# Altium PCB mantarray_beta2_sensor_arrayed.PcbDoc (part 3 of 4) (continued)
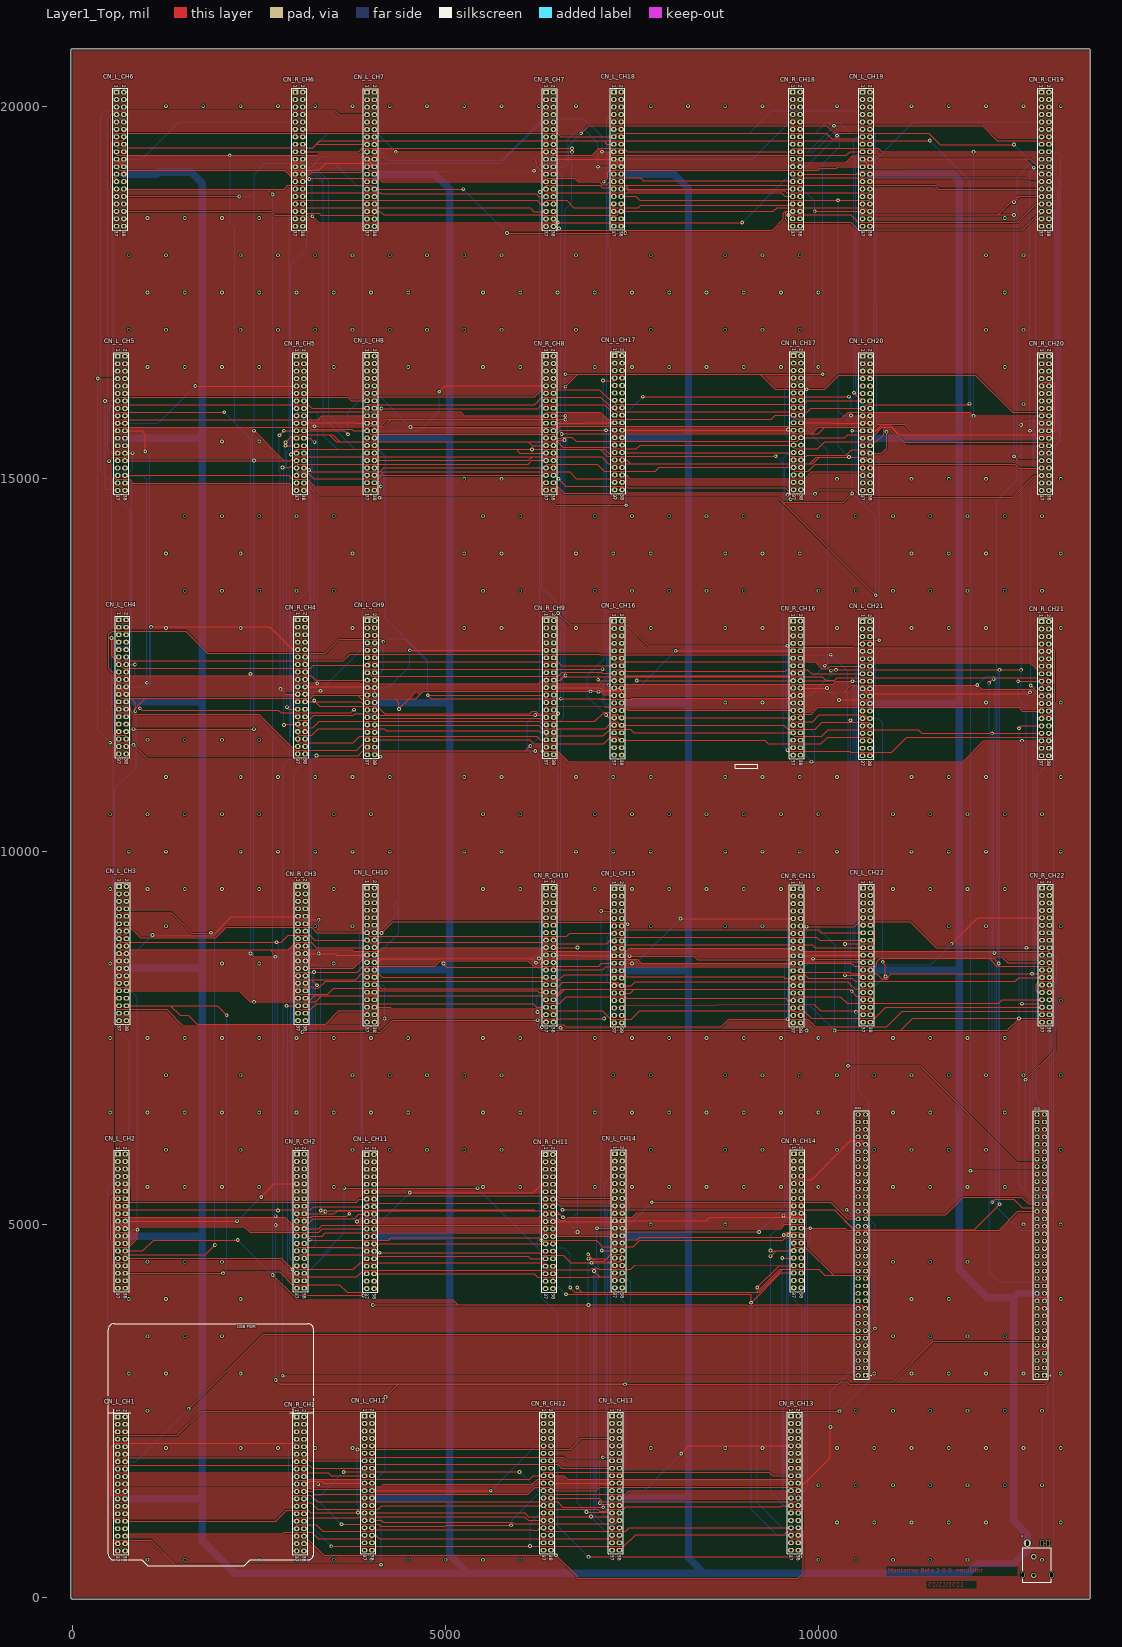
[diagram p0: Layer1_Top view]
## Nets (pads, with @x,y where several pads share a name; then routed paths per layer and width w, separated by ;. In a path a pad name is that pad's centre, name@x,y a point inside that pad or via, vN(x,y) a via of type N, cw(c..) or ccw(c..) an arc to the next point about the centre after c; other vN are vias at no path point) (continued)
TIMER_SYNC_0: CN12.4 CN_L_CH1.30 CN_L_CH2.30 CN_L_CH3.30 CN_L_CH4.30 CN_L_CH5.30 CN_L_CH6.30 CN_L_CH7.30 CN_L_CH8.30 CN_L_CH9.30 CN_L_CH10.30 CN_L_CH11.30 CN_L_CH12.30 CN_L_CH13.30 CN_L_CH14.30 CN_L_CH15.30 CN_L_CH16.30 CN_L_CH17.30 CN_L_CH18.30 CN_L_CH19.30 CN_L_CH20.30 CN_L_CH21.30 CN_L_CH22.30 | length 97496.7
  Layer1_Top w10: CN_L_CH6.30@684.19,18787.8 684.98,18788.58 2232.21,18788.58 v2(2233,18787.8) ; CN_L_CH5.30@699.88,15245.12 v2(2430,15245.12) 2831.88,15245.12 ; CN_L_CH1.30@700.91,1017.8 700.91,1021 2724,1021 2869,1166 3156,1166 3188,1134 v2(3823,1134) ; CN_L_CH3.30@719.57,8132.91 2232.09,8132.91 2380,7985 v2(2430,7985) 3160,7985 ; v2(812,11432) 995,11249 4101,11249 v2(4125,11273) ; v2(812,11643) v2(2430,11643) ; v2(866,4928) 866,4807 750,4691 559,4691 548.88,4680.88 548.88,4517.12 571,4495 690,4495 703.88,4508.88 CN_L_CH2.30@703.88,4543.31 2796.69,4543.31 v2(2946,4394) ; v2(2430,15647) 2831.88,15245.12 ; CN_L_CH12.30@4012.87,1028.58 4137.42,1028.58 4163.4,1002.6 5894.52,1002.6 5916.04,981.08 7276.77,981.08 7324.27,1028.58 CN_L_CH13.30@7331.77,1028.58 ; CN_L_CH9.30@4050.28,11699.84 4050.28,11694 6246,11694 6290,11650 7142,11650 7236,11744 7300,11744 7323,11721 7323,11693.94 CN_L_CH16.30@7361.3,11693.94 7361.3,11693 9537,11693 9586,11644 9959,11644 10051,11736 10458,11736 ; v2(4115.43,4619) 6256,4619 6289,4586 6578,4586 6679,4485 v2(6958,4485) 7166.46,4485 ; CN_L_CH18.30@7355.39,18788.43 7551.57,18788.43 7602,18738 v2(10264,18738) 10680.46,18738 10692.46,18750 CN_L_CH19.30@10692.46,18787.8 ; CN_L_CH14.30@7370.02,4548.03 CN_L_CH14.30@7363,4548.03 ; v2(10410,15292) 10015,15292 9927,15204 9882,15204 ; v2(10431,11763) 10458,11736 ; CN_L_CH20.30@10693.98,15245.12 10649,15245.12 10649,15280 10636,15293 9971,15293 9882,15204 ; CN_L_CH22.30@10699.88,8111.26 10699.88,8061 10511,8061 v2(10446,8126) 10446,8127.72 10422.72,8151 7528,8151 ; 2831.88,15245.12 2920,15245.12 2969.88,15295 2972,15295 ; 2831.88,15245.12 2832,15245 2922,15245 2972,15295 ; 2972,15295 4008.1,15294.9 ; 2972,15295 4008,15295 4008.1,15294.9 ; 3160,7985 3255,7985 3335,8065 ; 3160,7985 3240,8065 3335,8065 ; 3335,8065 3975,8065 ; 3975,8065 4060,8065 ; 3975,8065 4007,8097 4007,8113.23 CN_L_CH10.30@4046.34,8113.23 4046.34,8078.66 4060,8065 ; 4008.1,15294.9 4031,15272 4031,15247.09 CN_L_CH8.30@4046.34,15247.09 6117.96,15247.09 6165.46,15294.59 7093.41,15294.59 ; 4008.1,15294.9 7093.41,15294.59 ; 4060,8065 6480,8065 ; 6480,8065 6511,8065 6597,8151 ; 6480,8065 6566,8151 6597,8151 ; 6597,8151 7351.15,8151 ; 7093.41,15294.59 7184,15204 ; 7166.46,4485 7205,4485 7218,4498 ; 7166.46,4485 7179.46,4498 7218,4498 ; 7184,15204 7185,15203 7350.2,15203 7351.2,15204 ; 7184,15204 7351.2,15204 ; 7218,4498 7320,4498 ; 7320,4498 7351,4498 7363,4510 CN_L_CH14.30@7363,4548.03 ; 7320,4498 7339,4517 7339,4548.03 CN_L_CH14.30@7363,4548.03 ; 7351.15,8151 7528,8151 ; 7351.15,8151 7362.15,8140 CN_L_CH15.30@7362.15,8102.76 7479.76,8102.76 7528,8151 ; 7351.2,15204 7367.2,15220 CN_L_CH17.30@7367.2,15252.99 7434.01,15252.99 7483,15204 ; 7351.2,15204 7483,15204 ; 7483,15204 9882,15204 ; 10458,11736 10620,11736 ; 10620,11736 10680,11736 10692.01,11723.99 CN_L_CH21.30@10692.01,11686.06 10654,11686.06 10654,11702 10620,11736
  Layer8_BOT w10: CN_L_CH4.30@715.14,11709.69 760,11709.69 812,11657.69 v2(812,11643) v2(812,11432) ; CN_L_CH3.30@719.57,8132.91 773.09,8132.91 866,8040 v2(866,4928) ; v2(2233,18787.8) 2430,18787.8 ; v2@2412,15245.12 v2@2412,15647 ; 2427.17,18526.83 2427.17,16442.83 2430,16440 v2(2430,15647) ; v2(2430,7985) 2424,7991 2424,11643 2424,15239.12 v2(2430,15245.12) v2(2430,11643) ; 2430,18526.83 2430,18787.8 ; v2(2946,4394) 3185,4394 3477,4686 4070,4686 4096,4660 4096,4599.57 ; v2(3823,1134) 3880,1077 3990,1077 4005,1062 4005,1028.58 CN_L_CH12.30@4012.87,1028.58 ; CN_L_CH11.30@4040.43,4538.43 4040.43,4544 4096,4599.57 ; CN_L_CH7.30@4046.34,18786.46 4046.34,18826 4068,18826 4102,18860 4102,18912 4080,18934 3809,18934 3507,19236 2577,19236 2430,19089 2430,18787.8 ; CN_L_CH9.30@4050.28,11699.84 4100,11699.84 4125,11674.84 v2(4125,11273) ; v2(4115.43,4619) 4096,4599.57 ; v2(6958,4485) 7029,4414 7029,4345 7009,4325 7009,1093 7123,979 7320.77,979 7331.77,990 CN_L_CH13.30@7331.77,1028.58 ; v2(10264,18738) 10264,15916 ; v2(10410,15292) 10264,15438 10264,15916 ; v2(10431,11763) 10435,11759 10435,8147.82 10446,8136.82 v2(10446,8126) 10448.82,8123.18 10448.82,5263.6 10443.37,5258.15 10443.37,3119.63 10489.38,3073.62 CN12.4@10533.8,3073.62 ; CN_L_CH20.30@10693.98,15245.12 10749,15245.12 10749,15020 10726,14997 10537,14997 10494,15040 10494,15686 10264,15916
TIMER_SYNC_1: CN12.19 CN_L_CH1.28 CN_L_CH2.28 CN_L_CH3.28 CN_L_CH4.28 CN_L_CH5.28 CN_L_CH6.28 CN_L_CH7.28 CN_L_CH8.28 CN_L_CH9.28 CN_L_CH10.28 CN_L_CH11.28 CN_L_CH12.28 CN_L_CH13.28 CN_L_CH14.28 CN_L_CH15.28 CN_L_CH16.28 CN_L_CH17.28 CN_L_CH18.28 CN_L_CH19.28 CN_L_CH20.28 CN_L_CH21.28 CN_L_CH22.28 | length 103620
  Layer1_Top w10: CN_L_CH6.28@684.19,18887.8 2607.2,18887.8 ; CN_L_CH1.28@700.91,1117.8 700.91,1076.91 690,1066 571,1066 545,1040 545,780 559,766 1045,766 1376,435 v2(4134,435) ; CN_L_CH2.28@703.88,4643.31 938.31,4643.31 1084,4789 v2(2211,4789) ; CN_L_CH3.28@719.57,8232.91 719.57,8200 702.57,8183 587.57,8183 564.57,8160 564.57,7898.43 580,7883 1258,7883 1476,7665 4084,7665 v2(4182,7763) ; v2(801,15345.12) CN_L_CH5.28@699.88,15345.12 699.88,15310 682.88,15293 557.88,15293 544.88,15280 544.88,15020 571.88,14993 755,14993 805,14943 2905,14943 2955,14893 3155,14893 3301,14747 v2(4113,14747) 6370,14747 6470,14647 v2(7423,14647) ; v2(898,11924) 923,11899 2756,11899 2795,11860 3726,11860 v2(3770,11904) ; v2(2680,4320) 2954,4046 ; v2(2680,18815) 2607.2,18887.8 ; v2(3897,4046) 2954,4046 ; CN_L_CH12.28@4012.87,1128.58 4020,1128.58 4020,1129 6059,1129 6107,1081 v2(6949,1081) 7320,1081 7331.77,1092.77 CN_L_CH13.28@7331.77,1128.58 ; v2(4024,3919) 5163,3919 ; CN_L_CH10.28@4046.34,8213.23 4088.11,8213.23 4138.34,8163 6484,8163 6572,8251 7307,8251 7318,8240 7318,8202.76 CN_L_CH15.28@7362.15,8202.76 7490.76,8202.76 7541,8253 10393.83,8253 10485.83,8161 10699.88,8161 CN_L_CH22.28@10699.88,8211.26 ; CN_L_CH9.28@4050.28,11799.84 4050.28,11792 6269,11792 6312,11749 7001.79,11749 7125.32,11872.53 7192.79,11872.53 7223.32,11842 7301,11842 7323,11820 7323,11793.94 CN_L_CH16.28@7361.3,11793.94 7361.3,11793 9585,11793 9635,11743 9922,11743 10013,11834 10620,11834 10654,11800 10654,11786.06 CN_L_CH21.28@10692.01,11786.06 ; v2(5235.54,18886.46) CN_L_CH7.28@4046.34,18886.46 4015,18886.46 4015,18921 4000,18936 2885,18936 2836.8,18887.8 2607.2,18887.8 ; v2(5824,18298) v2(7411,18298) ; v2(6912.5,4597.5) 6970,4540 ; v2(6916,4540) 6970,4540 ; CN_L_CH18.28@7355.39,18888.43 7423.57,18888.43 7450,18862 9552,18862 9575,18839 10681.46,18839 10692.46,18850 CN_L_CH19.28@10692.46,18887.8 ; CN_L_CH17.28@7367.2,15352.99 7460,15352.99 9581,15353 9629,15305 9836,15305 9850,15319 10374,15319 10448,15393 10680.98,15393 10693.98,15380 CN_L_CH20.28@10693.98,15345.12 10851.12,15345.12 10915,15409 v2(10915,15631) ; CN12.19@10633.8,3873.62 10592,3873.62 10592,3911 10584,3919 9137.44,3919 9127.35,3908.92 9057.44,3908.92 9047.35,3919 v2(6916,3919) 5163,3919 ; v2(10863,8521) 10899,8485 v2(10899,8326) ; 2954,4046 3011,3989 5093,3989 5163,3919 ; 6970,4540 7002,4508 7127,4508 7159,4540 ; 6970,4540 7159,4540 ; 7159,4540 7215,4596 7344.02,4596 ; 7344.02,4596 CN_L_CH14.28@7363.81,4615.79 ; 7344.02,4596 7360,4596 CN_L_CH14.28@7363.81,4615.79 ; CN_L_CH14.28@7363.81,4615.79 CN_L_CH14.28@7370.02,4648.03 7370.02,4622 CN_L_CH14.28@7363.81,4615.79
  Layer8_BOT w10: CN_L_CH2.28@703.88,4643.31 703.88,4680 690.88,4693 533.42,4693 527.56,4698.86 527.56,4985.14 533.42,4991 730,4991 759,5020 759,7447 564,7642 564,8160 587,8183 702.57,8183 719.57,8200 CN_L_CH3.28@719.57,8232.91 ; v2(801,15345.12) 801,15134 760,15093 557.88,15093 544.88,15080 544.88,15020 567.88,14997 760,14997 791,14966 791,12393 760,12362 582.14,12362 540.14,12320 540.14,11962.19 560.14,11942.19 560.14,11880 578.14,11862 703.14,11862 715.14,11850 CN_L_CH4.28@715.14,11809.69 767.69,11809.69 798,11840 798,11902 820,11924 v2(898,11924) ; v2(2211,4789) v2(2680,4320) 2680,8549.82 2678,8551.82 2678,8629.82 2680,8631.82 v2(2680,18815) ; v2(3770,11904) 3826,11848 3998,11848 4010,11836 4010,11799.84 CN_L_CH9.28@4050.28,11799.84 ; CN_L_CH12.28@4012.87,1128.58 4034.42,1128.58 4134,1029 v2(4134,435) ; v2(4024,3919) v2(3897,4046) 3885,4058 3885,4560 3915,4590 4030.43,4590 ; CN_L_CH10.28@4046.34,8213.23 4150.77,8213.23 4182,8182 v2(4182,7763) ; CN_L_CH8.28@4046.34,15347.09 4046.34,15310 4035.34,15299 3920,15299 3891.34,15270.34 3891.34,15115.66 ; v2(4113,14747) 4171,14805 4171,15046 ; v2(5235.54,18886.46) v2(5824,18298) ; v2(6912.5,4597.5) v2@6912.5,3919.96 ; v2(6916,3919) v2@6912.5,3919 ; v2(6916,4540) v2@6912.5,3919.96 ; v2(6949,1081) 6949,3860 6912.5,3896.5 v2@6912.5,3919 ; CN_L_CH18.28@7355.39,18888.43 7400,18888.43 7411,18877.43 v2(7411,18298) ; CN_L_CH17.28@7367.2,15352.99 7367.2,15313.8 7380,15301 7402,15301 7423,15280 v2(7423,14647) ; CN_L_CH21.28@10692.01,11786.06 10800,11786.06 10863,11723.06 v2(10863,8521) ; CN_L_CH19.28@10692.46,18887.8 10768,18887.8 10779,15767 v2(10915,15631) ; CN_L_CH22.28@10699.88,8211.26 10784.26,8211.26 v2(10899,8326) ; 3891.34,15115.66 3891.34,15107.66 3900,15099 3908,15099 ; 3891.34,15115.66 3908,15099 ; 3908,15099 4118,15099 ; 4030.43,4590 CN_L_CH11.28@4040.43,4638.43 4040.43,4600 4030.43,4590 ; 4118,15099 4154,15099 4171,15082 4171,15046 ; 4118,15099 4171,15046 ; v2@6912.5,3919 v2@6912.5,3919.96 ; v2@6912.49,3919.02 v2@6912.5,3919.96
uart1_tx_tp_CH1: CN_R_CH1.35
uart1_tx_tp_CH2: CN_R_CH2.35
uart1_tx_tp_CH3: CN_R_CH3.35
uart1_tx_tp_CH4: CN_R_CH4.35
uart1_tx_tp_CH5: CN_R_CH5.35
uart1_tx_tp_CH6: CN_R_CH6.35
uart1_tx_tp_CH7: CN_R_CH7.35
uart1_tx_tp_CH8: CN_R_CH8.35
uart1_tx_tp_CH9: CN_R_CH9.35
uart1_tx_tp_CH10: CN_R_CH10.35
uart1_tx_tp_CH11: CN_R_CH11.35
uart1_tx_tp_CH12: CN_R_CH12.35
uart1_tx_tp_CH13: CN_R_CH13.35
uart1_tx_tp_CH14: CN_R_CH14.35
uart1_tx_tp_CH15: CN_R_CH15.35
uart1_tx_tp_CH16: CN_R_CH16.35
uart1_tx_tp_CH17: CN_R_CH17.35
uart1_tx_tp_CH18: CN_R_CH18.35
uart1_tx_tp_CH19: CN_R_CH19.35
uart1_tx_tp_CH20: CN_R_CH20.35
uart1_tx_tp_CH21: CN_R_CH21.35
uart1_tx_tp_CH22: CN_R_CH22.35
VBAT: CN11.33
VIN: CN11.24 CN_L_CH1.24 CN_L_CH2.24 CN_L_CH3.24 CN_L_CH4.24 CN_L_CH5.24 CN_L_CH6.24 CN_L_CH7.24 CN_L_CH8.24 CN_L_CH9.24 CN_L_CH10.24 CN_L_CH11.24 CN_L_CH12.24 CN_L_CH13.24 CN_L_CH14.24 CN_L_CH15.24 CN_L_CH16.24 CN_L_CH17.24 CN_L_CH18.24 CN_L_CH19.24 CN_L_CH20.24 CN_L_CH21.24 CN_L_CH22.24 J1.1 | length 108968.8
  Layer8_BOT w100: CN_L_CH6.24@684.19,19087.8 1125.13,19087.8 1151.5,19114.17 1588.58,19114.17 1736.22,18966.54 1736.22,15564.96 ; CN_L_CH5.24@699.88,15545.12 1716.38,15545.12 1736.22,15564.96 ; CN_L_CH1.24@700.91,1317.8 1733.15,1317.8 1736.22,1320.87 ; CN_L_CH2.24@703.88,4843.31 704.67,4842.52 1736.22,4842.52 ; CN_L_CH4.24@715.14,12009.69 1734.41,12009.69 1736.22,12007.87 ; CN_L_CH3.24@719.57,8432.91 1732.13,8432.91 1736.22,8437.01 ; CN_L_CH12.24@4012.87,1328.58 5053.31,1328.58 5055.12,1326.77 ; CN_L_CH11.24@4040.43,4838.43 5052.99,4838.43 5055.12,4840.55 ; CN_L_CH10.24@4046.34,8413.23 5043.15,8413.23 5055.12,8425.2 ; CN_L_CH8.24@4046.34,15547.09 5053.31,15547.09 5055.12,15545.28 ; CN_L_CH7.24@4046.34,19086.46 4856.46,19086.46 5055.12,18887.8 5055.12,15545.28 ; CN_L_CH9.24@4050.28,11999.84 5053.31,11999.84 5055.12,11998.03 ; CN_L_CH13.24@7331.77,1328.58 8253.78,1328.58 8257.87,1332.68 ; CN_L_CH18.24@7355.39,19088.43 8061.18,19088.43 8257.87,18891.73 8257.87,15549.21 ; CN_L_CH16.24@7361.3,11993.94 8253.78,11993.94 8257.87,11998.03 ; CN_L_CH15.24@7362.15,8402.76 7362.93,8403.54 8257.87,8403.54 ; CN_L_CH17.24@7367.2,15552.99 8254.09,15552.99 8257.87,15549.21 ; CN_L_CH14.24@7370.02,4848.03 7370.41,4848.43 8257.87,4848.43 ; CN_L_CH21.24@10692.01,11986.06 11885.98,11986.06 11887.8,11984.25 ; CN_L_CH19.24@10692.46,19087.8 11245.4,19087.8 11248.16,19090.55 11797.24,19090.55 11887.8,19000 11887.8,15543.31 ; CN_L_CH20.24@10693.98,15545.12 11885.98,15545.12 11887.8,15543.31 ; CN_L_CH22.24@10699.88,8411.26 11882.05,8411.26 11887.8,8405.51 ; CN11.24@12933.8,4073.62 12933.01,4072.83 12677.17,4072.83 12618.11,4013.78 ; 1736.22,1320.87 1736.22,4842.52 ; 1736.22,1320.87 1736.22,753.94 2169.29,320.87 5305.12,320.87 ; 1736.22,4842.52 1736.22,8437.01 ; 1736.22,8437.01 1736.22,12007.87 ; 1736.22,12007.87 1736.22,15564.96 ; 5055.12,1326.77 5055.12,4840.55 ; 5055.12,1326.77 5055.12,570.87 5305.12,320.87 ; 5055.12,4840.55 5055.12,8425.2 ; 5055.12,8425.2 5055.12,11998.03 ; 5055.12,11998.03 5055.12,15545.28 ; 5305.12,320.87 8464.57,320.87 ; 8257.87,1332.68 8257.87,4848.43 ; 8257.87,1332.68 8257.87,527.56 8464.57,320.87 ; 8257.87,4848.43 8257.87,8403.54 ; 8257.87,8403.54 8257.87,11998.03 ; 8257.87,11998.03 8257.87,15549.21 ; 8464.57,320.87 12011.81,320.87 12141.73,450.79 12624.49,450.79 12803.39,629.68 J1.1@12803.39,724.06 12803.39,838.35 12618.11,1023.62 12618.11,4013.78 ; 11887.8,8405.51 11887.8,11984.25 ; 11887.8,8405.51 11887.8,4391.73 12265.75,4013.78 12618.11,4013.78 ; 11887.8,11984.25 11887.8,15543.31
pads on no net: CN11.1 CN11.2 CN11.3 CN11.10 CN11.13 CN11.15 CN11.23 CN11.25 CN11.26 CN11.27 CN11.29 CN11.31 CN11.35 CN11.36 CN11.37 CN11.38 CN11.42 CN11.44 CN11.51 CN11.52 CN11.53 CN11.54 CN11.56 CN11.58 CN11.59 CN11.63 CN11.65 CN11.66 CN11.67 CN11.68 CN11.69 CN11.70 CN11.71 CN11.72 CN12.1 CN12.2 CN12.3 CN12.5 CN12.6 CN12.7 CN12.10 CN12.12 CN12.14 CN12.15 CN12.16 CN12.18 CN12.21 CN12.22 CN12.23 CN12.24 CN12.25 CN12.26 CN12.27 CN12.28 CN12.29 CN12.30 CN12.31 CN12.33 CN12.34 CN12.36 CN12.38 CN12.41 CN12.42 CN12.46 CN12.48 CN12.50 CN12.57 CN12.58 CN12.59 CN12.60 CN12.61 CN12.62 CN12.65 CN12.66 CN12.67 CN12.68 CN12.69 CN12.70 CN12.71 CN12.72 CN_L_CH1.1 CN_L_CH1.2 CN_L_CH1.3 CN_L_CH1.4 CN_L_CH1.5 CN_L_CH1.6 CN_L_CH1.8 CN_L_CH1.9 CN_L_CH1.10 CN_L_CH1.11 CN_L_CH1.12 CN_L_CH1.16 CN_L_CH1.18 CN_L_CH1.23 CN_L_CH1.26 CN_L_CH1.29 CN_L_CH1.31 CN_L_CH1.32 CN_L_CH1.33 CN_L_CH1.35 CN_L_CH1.36 CN_L_CH1.37 CN_L_CH1.38 CN_L_CH2.1 CN_L_CH2.2 CN_L_CH2.3 CN_L_CH2.4 CN_L_CH2.5 CN_L_CH2.6 CN_L_CH2.8 CN_L_CH2.9 CN_L_CH2.10 CN_L_CH2.11 CN_L_CH2.12 CN_L_CH2.16 CN_L_CH2.18 CN_L_CH2.23 CN_L_CH2.26 CN_L_CH2.29 CN_L_CH2.31 CN_L_CH2.32 CN_L_CH2.33 CN_L_CH2.35 CN_L_CH2.36 CN_L_CH2.37 CN_L_CH2.38 CN_L_CH3.1 CN_L_CH3.2 CN_L_CH3.3 CN_L_CH3.4 CN_L_CH3.5 CN_L_CH3.6 CN_L_CH3.8 CN_L_CH3.9 CN_L_CH3.10 CN_L_CH3.11 CN_L_CH3.12 CN_L_CH3.16 CN_L_CH3.18 CN_L_CH3.23 CN_L_CH3.26 CN_L_CH3.29 CN_L_CH3.31 CN_L_CH3.32 CN_L_CH3.33 CN_L_CH3.35 CN_L_CH3.36 CN_L_CH3.37 CN_L_CH3.38 CN_L_CH4.1 CN_L_CH4.2 CN_L_CH4.3 CN_L_CH4.4 CN_L_CH4.5 CN_L_CH4.6 CN_L_CH4.8 CN_L_CH4.9 CN_L_CH4.10 CN_L_CH4.11 CN_L_CH4.12 CN_L_CH4.16 CN_L_CH4.18 CN_L_CH4.23 CN_L_CH4.26 CN_L_CH4.29 CN_L_CH4.31 CN_L_CH4.32 CN_L_CH4.33 CN_L_CH4.35 CN_L_CH4.36 CN_L_CH4.37 CN_L_CH4.38 CN_L_CH5.1 CN_L_CH5.2 CN_L_CH5.3 CN_L_CH5.4 CN_L_CH5.5 CN_L_CH5.6 CN_L_CH5.8 CN_L_CH5.9 CN_L_CH5.10 CN_L_CH5.11 CN_L_CH5.12 CN_L_CH5.16 CN_L_CH5.18 CN_L_CH5.23 CN_L_CH5.26 CN_L_CH5.29 CN_L_CH5.31 CN_L_CH5.32 CN_L_CH5.33 CN_L_CH5.35 CN_L_CH5.36 CN_L_CH5.37 CN_L_CH5.38 CN_L_CH6.1 CN_L_CH6.2 CN_L_CH6.3 CN_L_CH6.4 CN_L_CH6.5 CN_L_CH6.6 CN_L_CH6.8 CN_L_CH6.9 CN_L_CH6.10 CN_L_CH6.11 CN_L_CH6.12 CN_L_CH6.16 CN_L_CH6.18 CN_L_CH6.23 CN_L_CH6.26 CN_L_CH6.29 CN_L_CH6.31 CN_L_CH6.32 CN_L_CH6.33 CN_L_CH6.35 CN_L_CH6.36 CN_L_CH6.37 CN_L_CH6.38 CN_L_CH7.1 CN_L_CH7.2 CN_L_CH7.3 CN_L_CH7.4 CN_L_CH7.5 CN_L_CH7.6 CN_L_CH7.8 CN_L_CH7.9 CN_L_CH7.10 CN_L_CH7.11 CN_L_CH7.12 CN_L_CH7.16 CN_L_CH7.18 CN_L_CH7.23 CN_L_CH7.26 CN_L_CH7.29 CN_L_CH7.31 CN_L_CH7.32 CN_L_CH7.33 CN_L_CH7.35 CN_L_CH7.36 CN_L_CH7.37 CN_L_CH7.38 CN_L_CH8.1 CN_L_CH8.2 CN_L_CH8.3 CN_L_CH8.4 CN_L_CH8.5 CN_L_CH8.6 CN_L_CH8.8 CN_L_CH8.9 CN_L_CH8.10 CN_L_CH8.11 CN_L_CH8.12 CN_L_CH8.16 CN_L_CH8.18 CN_L_CH8.23 CN_L_CH8.26 CN_L_CH8.29 CN_L_CH8.31 CN_L_CH8.32 CN_L_CH8.33 CN_L_CH8.35 CN_L_CH8.36 CN_L_CH8.37 CN_L_CH8.38 CN_L_CH9.1 CN_L_CH9.2 CN_L_CH9.3 CN_L_CH9.4 CN_L_CH9.5 CN_L_CH9.6 CN_L_CH9.8 CN_L_CH9.9 CN_L_CH9.10 CN_L_CH9.11 CN_L_CH9.12 CN_L_CH9.16 CN_L_CH9.18 CN_L_CH9.23 CN_L_CH9.26 CN_L_CH9.29 CN_L_CH9.31 CN_L_CH9.32 CN_L_CH9.33 CN_L_CH9.35 CN_L_CH9.36 CN_L_CH9.37 CN_L_CH9.38 CN_L_CH10.1 CN_L_CH10.2 CN_L_CH10.3 CN_L_CH10.4 CN_L_CH10.5 CN_L_CH10.6 CN_L_CH10.8 CN_L_CH10.9 CN_L_CH10.10 CN_L_CH10.11 CN_L_CH10.12 CN_L_CH10.16 CN_L_CH10.18 CN_L_CH10.23 CN_L_CH10.26 CN_L_CH10.29 CN_L_CH10.31 CN_L_CH10.32 CN_L_CH10.33 CN_L_CH10.35 CN_L_CH10.36 CN_L_CH10.37 CN_L_CH10.38 CN_L_CH11.1 CN_L_CH11.2 CN_L_CH11.3 CN_L_CH11.4 CN_L_CH11.5 CN_L_CH11.6 CN_L_CH11.8 CN_L_CH11.9 CN_L_CH11.10 CN_L_CH11.11 CN_L_CH11.12 CN_L_CH11.16 CN_L_CH11.18 CN_L_CH11.23 CN_L_CH11.26 CN_L_CH11.29 CN_L_CH11.31 CN_L_CH11.32 CN_L_CH11.33 CN_L_CH11.35 CN_L_CH11.36 CN_L_CH11.37 CN_L_CH11.38 CN_L_CH12.1 CN_L_CH12.2 CN_L_CH12.3 CN_L_CH12.4 CN_L_CH12.5 CN_L_CH12.6 CN_L_CH12.8 CN_L_CH12.9 CN_L_CH12.10 CN_L_CH12.11 CN_L_CH12.12 CN_L_CH12.16 CN_L_CH12.18 CN_L_CH12.23 CN_L_CH12.26 CN_L_CH12.29 CN_L_CH12.31 CN_L_CH12.32 CN_L_CH12.33 CN_L_CH12.35 CN_L_CH12.36 CN_L_CH12.37 CN_L_CH12.38 CN_L_CH13.1 CN_L_CH13.2 CN_L_CH13.3 CN_L_CH13.4 CN_L_CH13.5 CN_L_CH13.6 CN_L_CH13.8 CN_L_CH13.9 CN_L_CH13.10 CN_L_CH13.11 CN_L_CH13.12 CN_L_CH13.16 CN_L_CH13.18 CN_L_CH13.23 CN_L_CH13.26 CN_L_CH13.29 CN_L_CH13.31 CN_L_CH13.32 CN_L_CH13.33 CN_L_CH13.35 CN_L_CH13.36 CN_L_CH13.37 CN_L_CH13.38 CN_L_CH14.1 CN_L_CH14.2 CN_L_CH14.3 CN_L_CH14.4 CN_L_CH14.5 CN_L_CH14.6 CN_L_CH14.8 CN_L_CH14.9 CN_L_CH14.10 CN_L_CH14.11 CN_L_CH14.12 CN_L_CH14.16 CN_L_CH14.18 CN_L_CH14.23 CN_L_CH14.26 CN_L_CH14.29 CN_L_CH14.31 CN_L_CH14.32 CN_L_CH14.33 CN_L_CH14.35 CN_L_CH14.36 CN_L_CH14.37 CN_L_CH14.38 CN_L_CH15.1 CN_L_CH15.2 CN_L_CH15.3 CN_L_CH15.4 CN_L_CH15.5 CN_L_CH15.6 CN_L_CH15.8 CN_L_CH15.9 CN_L_CH15.10 CN_L_CH15.11 CN_L_CH15.12 CN_L_CH15.16 CN_L_CH15.18 CN_L_CH15.23 CN_L_CH15.26 CN_L_CH15.29 CN_L_CH15.31 CN_L_CH15.32 CN_L_CH15.33 CN_L_CH15.35 CN_L_CH15.36 CN_L_CH15.37 CN_L_CH15.38 CN_L_CH16.1 CN_L_CH16.2 CN_L_CH16.3 CN_L_CH16.4 CN_L_CH16.5 CN_L_CH16.6 CN_L_CH16.8 CN_L_CH16.9 CN_L_CH16.10 CN_L_CH16.11 CN_L_CH16.12 CN_L_CH16.16 CN_L_CH16.18 CN_L_CH16.23 CN_L_CH16.26 CN_L_CH16.29 CN_L_CH16.31 CN_L_CH16.32 CN_L_CH16.33 CN_L_CH16.35 CN_L_CH16.36 CN_L_CH16.37 CN_L_CH16.38 CN_L_CH17.1 CN_L_CH17.2 CN_L_CH17.3 CN_L_CH17.4 CN_L_CH17.5 CN_L_CH17.6 CN_L_CH17.8 CN_L_CH17.9 CN_L_CH17.10 CN_L_CH17.11 CN_L_CH17.12 CN_L_CH17.16 CN_L_CH17.18 CN_L_CH17.23 CN_L_CH17.26 CN_L_CH17.29 CN_L_CH17.31 CN_L_CH17.32 CN_L_CH17.33 CN_L_CH17.35 CN_L_CH17.36 CN_L_CH17.37 CN_L_CH17.38 CN_L_CH18.1 CN_L_CH18.2 CN_L_CH18.3 CN_L_CH18.4 CN_L_CH18.5 CN_L_CH18.6 CN_L_CH18.8 CN_L_CH18.9 CN_L_CH18.10 CN_L_CH18.11 CN_L_CH18.12 CN_L_CH18.16 CN_L_CH18.18 CN_L_CH18.23 CN_L_CH18.26 CN_L_CH18.29 CN_L_CH18.31 CN_L_CH18.32 CN_L_CH18.33 CN_L_CH18.35 CN_L_CH18.36 CN_L_CH18.37 CN_L_CH18.38 CN_L_CH19.1 CN_L_CH19.2 CN_L_CH19.3 CN_L_CH19.4 CN_L_CH19.5 CN_L_CH19.6 CN_L_CH19.8 CN_L_CH19.9 CN_L_CH19.10 CN_L_CH19.11 CN_L_CH19.12 CN_L_CH19.16 CN_L_CH19.18 CN_L_CH19.23 CN_L_CH19.26 CN_L_CH19.29 CN_L_CH19.31 CN_L_CH19.32 CN_L_CH19.33 CN_L_CH19.35 CN_L_CH19.36 CN_L_CH19.37 CN_L_CH19.38 CN_L_CH20.1 CN_L_CH20.2 CN_L_CH20.3 CN_L_CH20.4 CN_L_CH20.5 CN_L_CH20.6 CN_L_CH20.8 CN_L_CH20.9 CN_L_CH20.10 CN_L_CH20.11 CN_L_CH20.12 CN_L_CH20.16 CN_L_CH20.18 CN_L_CH20.23 CN_L_CH20.26 CN_L_CH20.29 CN_L_CH20.31 CN_L_CH20.32 CN_L_CH20.33 CN_L_CH20.35 CN_L_CH20.36 CN_L_CH20.37 CN_L_CH20.38 CN_L_CH21.1 CN_L_CH21.2 CN_L_CH21.3 CN_L_CH21.4 CN_L_CH21.5 CN_L_CH21.6 CN_L_CH21.8 CN_L_CH21.9 CN_L_CH21.10 CN_L_CH21.11 CN_L_CH21.12 CN_L_CH21.16 CN_L_CH21.18 CN_L_CH21.23 CN_L_CH21.26 CN_L_CH21.29 CN_L_CH21.31 CN_L_CH21.32 CN_L_CH21.33 CN_L_CH21.35 CN_L_CH21.36 CN_L_CH21.37 CN_L_CH21.38 CN_L_CH22.1 CN_L_CH22.2 CN_L_CH22.3 CN_L_CH22.4 CN_L_CH22.5 CN_L_CH22.6 CN_L_CH22.8 CN_L_CH22.9 CN_L_CH22.10 CN_L_CH22.11 CN_L_CH22.12 CN_L_CH22.16 CN_L_CH22.18 CN_L_CH22.23 CN_L_CH22.26 CN_L_CH22.29 CN_L_CH22.31 CN_L_CH22.32 CN_L_CH22.33 CN_L_CH22.35 CN_L_CH22.36 CN_L_CH22.37 CN_L_CH22.38 CN_R_CH1.1 CN_R_CH1.3 CN_R_CH1.5 CN_R_CH1.7 CN_R_CH1.8 CN_R_CH1.11 CN_R_CH1.13 CN_R_CH1.15 CN_R_CH1.19 CN_R_CH1.23 CN_R_CH1.26 CN_R_CH1.28 CN_R_CH1.30 CN_R_CH1.32 CN_R_CH1.34 CN_R_CH1.36 CN_R_CH1.37 CN_R_CH1.38 CN_R_CH2.1 CN_R_CH2.3 CN_R_CH2.5 CN_R_CH2.7 CN_R_CH2.8 CN_R_CH2.11 CN_R_CH2.13 CN_R_CH2.15 CN_R_CH2.19 CN_R_CH2.23 CN_R_CH2.26 CN_R_CH2.28 CN_R_CH2.30 CN_R_CH2.32 CN_R_CH2.34 CN_R_CH2.36 CN_R_CH2.37 CN_R_CH2.38 CN_R_CH3.1 CN_R_CH3.3 CN_R_CH3.5 CN_R_CH3.7 CN_R_CH3.8 CN_R_CH3.11 CN_R_CH3.13 CN_R_CH3.15 CN_R_CH3.19 CN_R_CH3.23 CN_R_CH3.26 CN_R_CH3.28 CN_R_CH3.30 CN_R_CH3.32 CN_R_CH3.34 CN_R_CH3.36 CN_R_CH3.37 CN_R_CH3.38 CN_R_CH4.1 CN_R_CH4.3 CN_R_CH4.5 CN_R_CH4.7 CN_R_CH4.8 CN_R_CH4.11 CN_R_CH4.13 CN_R_CH4.15 CN_R_CH4.19 CN_R_CH4.23 CN_R_CH4.26 CN_R_CH4.28 CN_R_CH4.30 CN_R_CH4.32 CN_R_CH4.34 CN_R_CH4.36 CN_R_CH4.37 CN_R_CH4.38 CN_R_CH5.1 CN_R_CH5.3 CN_R_CH5.5 CN_R_CH5.7 CN_R_CH5.8 CN_R_CH5.11 CN_R_CH5.13 CN_R_CH5.15 CN_R_CH5.19 CN_R_CH5.23 CN_R_CH5.26 CN_R_CH5.28 CN_R_CH5.30 CN_R_CH5.32 CN_R_CH5.34 CN_R_CH5.36 CN_R_CH5.37 CN_R_CH5.38 CN_R_CH6.1 CN_R_CH6.3 CN_R_CH6.5 CN_R_CH6.7 CN_R_CH6.8 CN_R_CH6.11 CN_R_CH6.13 CN_R_CH6.15 CN_R_CH6.19 CN_R_CH6.23 CN_R_CH6.26 CN_R_CH6.28 CN_R_CH6.30 CN_R_CH6.32 CN_R_CH6.34 CN_R_CH6.36 CN_R_CH6.37 CN_R_CH6.38 CN_R_CH7.1 CN_R_CH7.3 CN_R_CH7.5 CN_R_CH7.7 CN_R_CH7.8 CN_R_CH7.11 CN_R_CH7.13 CN_R_CH7.15 CN_R_CH7.19 CN_R_CH7.23 CN_R_CH7.26 CN_R_CH7.28 CN_R_CH7.30 CN_R_CH7.32 CN_R_CH7.34 CN_R_CH7.36 CN_R_CH7.37 CN_R_CH7.38 CN_R_CH8.1 CN_R_CH8.3 CN_R_CH8.5 CN_R_CH8.7 CN_R_CH8.8 CN_R_CH8.11 CN_R_CH8.13 CN_R_CH8.15 CN_R_CH8.19 CN_R_CH8.23 CN_R_CH8.26 CN_R_CH8.28 CN_R_CH8.30 CN_R_CH8.32 CN_R_CH8.34 CN_R_CH8.36 CN_R_CH8.37 CN_R_CH8.38 CN_R_CH9.1 CN_R_CH9.3 CN_R_CH9.5 CN_R_CH9.7 CN_R_CH9.8 CN_R_CH9.11 CN_R_CH9.13 CN_R_CH9.15 CN_R_CH9.19 CN_R_CH9.23 CN_R_CH9.26 CN_R_CH9.28 CN_R_CH9.30 CN_R_CH9.32 CN_R_CH9.34 CN_R_CH9.36 CN_R_CH9.37 CN_R_CH9.38 CN_R_CH10.1 CN_R_CH10.3 CN_R_CH10.5 CN_R_CH10.7 CN_R_CH10.8 CN_R_CH10.11 CN_R_CH10.13 CN_R_CH10.15 CN_R_CH10.19 CN_R_CH10.23 CN_R_CH10.26 CN_R_CH10.28 CN_R_CH10.30 CN_R_CH10.32 CN_R_CH10.34 CN_R_CH10.36 CN_R_CH10.37 CN_R_CH10.38 CN_R_CH11.1 CN_R_CH11.3 CN_R_CH11.5 CN_R_CH11.7 CN_R_CH11.8 CN_R_CH11.11 CN_R_CH11.13 CN_R_CH11.15 CN_R_CH11.19 CN_R_CH11.23 CN_R_CH11.26 CN_R_CH11.28 CN_R_CH11.30 CN_R_CH11.32 CN_R_CH11.34 CN_R_CH11.36 CN_R_CH11.37 CN_R_CH11.38 CN_R_CH12.1 CN_R_CH12.3 CN_R_CH12.5 CN_R_CH12.7 CN_R_CH12.8 CN_R_CH12.11 CN_R_CH12.13 CN_R_CH12.15 CN_R_CH12.19 CN_R_CH12.23 CN_R_CH12.26 CN_R_CH12.28 CN_R_CH12.30 CN_R_CH12.32 CN_R_CH12.34 CN_R_CH12.36 CN_R_CH12.37 CN_R_CH12.38 CN_R_CH13.1 CN_R_CH13.3 CN_R_CH13.5 CN_R_CH13.7 CN_R_CH13.8 CN_R_CH13.11 CN_R_CH13.13 CN_R_CH13.15 CN_R_CH13.19 CN_R_CH13.23 CN_R_CH13.26 CN_R_CH13.28 CN_R_CH13.30 CN_R_CH13.32 CN_R_CH13.34 CN_R_CH13.36 CN_R_CH13.37 CN_R_CH13.38 CN_R_CH14.1 CN_R_CH14.3 CN_R_CH14.5 CN_R_CH14.7 CN_R_CH14.8 CN_R_CH14.11 CN_R_CH14.13 CN_R_CH14.15 CN_R_CH14.19 CN_R_CH14.23 CN_R_CH14.26 CN_R_CH14.28 CN_R_CH14.30 CN_R_CH14.32 CN_R_CH14.34 CN_R_CH14.36 CN_R_CH14.37 CN_R_CH14.38 CN_R_CH15.1 CN_R_CH15.3 CN_R_CH15.5 CN_R_CH15.7 CN_R_CH15.8 CN_R_CH15.11 CN_R_CH15.13 CN_R_CH15.15 CN_R_CH15.19 CN_R_CH15.23 CN_R_CH15.26 CN_R_CH15.28 CN_R_CH15.30 CN_R_CH15.32 CN_R_CH15.34 CN_R_CH15.36 CN_R_CH15.37 CN_R_CH15.38 CN_R_CH16.1 CN_R_CH16.3 CN_R_CH16.5 CN_R_CH16.7 CN_R_CH16.8 CN_R_CH16.11 CN_R_CH16.13 CN_R_CH16.15 CN_R_CH16.19 CN_R_CH16.23 CN_R_CH16.26 CN_R_CH16.28 CN_R_CH16.30 CN_R_CH16.32 CN_R_CH16.34 CN_R_CH16.36 CN_R_CH16.37 CN_R_CH16.38 CN_R_CH17.1 CN_R_CH17.3 CN_R_CH17.5 CN_R_CH17.7 CN_R_CH17.8 CN_R_CH17.11 CN_R_CH17.13 CN_R_CH17.15 CN_R_CH17.19 CN_R_CH17.23 CN_R_CH17.26 CN_R_CH17.28 CN_R_CH17.30 CN_R_CH17.32 CN_R_CH17.34 CN_R_CH17.36 CN_R_CH17.37 CN_R_CH17.38 CN_R_CH18.1 CN_R_CH18.3 CN_R_CH18.5 CN_R_CH18.7 CN_R_CH18.8 CN_R_CH18.11 CN_R_CH18.13 CN_R_CH18.15 CN_R_CH18.19 CN_R_CH18.23 CN_R_CH18.26 CN_R_CH18.28 CN_R_CH18.30 CN_R_CH18.32 CN_R_CH18.34 CN_R_CH18.36 CN_R_CH18.37 CN_R_CH18.38 CN_R_CH19.1 CN_R_CH19.3 CN_R_CH19.5 CN_R_CH19.7 CN_R_CH19.8 CN_R_CH19.11 CN_R_CH19.13 CN_R_CH19.15 CN_R_CH19.19 CN_R_CH19.23 CN_R_CH19.26 CN_R_CH19.28 CN_R_CH19.30 CN_R_CH19.32 CN_R_CH19.34 CN_R_CH19.36 CN_R_CH19.37 CN_R_CH19.38 CN_R_CH20.1 CN_R_CH20.3 CN_R_CH20.5 CN_R_CH20.7 CN_R_CH20.8 CN_R_CH20.11 CN_R_CH20.13 CN_R_CH20.15 CN_R_CH20.19 CN_R_CH20.23 CN_R_CH20.26 CN_R_CH20.28 CN_R_CH20.30 CN_R_CH20.32 CN_R_CH20.34 CN_R_CH20.36 CN_R_CH20.37 CN_R_CH20.38 CN_R_CH21.1 CN_R_CH21.3 CN_R_CH21.5 CN_R_CH21.7 CN_R_CH21.8 CN_R_CH21.11 CN_R_CH21.13 CN_R_CH21.15 CN_R_CH21.19 CN_R_CH21.23 CN_R_CH21.26 CN_R_CH21.28 CN_R_CH21.30 CN_R_CH21.32 CN_R_CH21.34 CN_R_CH21.36 CN_R_CH21.37 CN_R_CH21.38 CN_R_CH22.1 CN_R_CH22.3 CN_R_CH22.5 CN_R_CH22.7 CN_R_CH22.8 CN_R_CH22.11 CN_R_CH22.13 CN_R_CH22.15 CN_R_CH22.19 CN_R_CH22.23 CN_R_CH22.26 CN_R_CH22.28 CN_R_CH22.30 CN_R_CH22.32 CN_R_CH22.34 CN_R_CH22.36 CN_R_CH22.37 CN_R_CH22.38 J1.
copper on no net:
  other v3: 12890,290.98 12890,542.95

## Polygon pours and split planes (outlines as drawn)
GND on Layer1_Top "Top_GND" (solid, remove dead copper, pour order 2): 0,20746.06 13640.46,20746.06 13650.7,0 6218.5,0 0,0
GND on Layer8_BOT "Bot_GND" (solid, remove dead copper, pour order 3): 0,20746.06 13622.05,20746.06 13622.05,18.62 6218.5,0 0,0

## Keep-outs
Keep-Out Layer:
  lines w5: 473.41,577.8 ccw(c552.15,577.8) 552.15,499.06 ; 3150.57,499.06 ccw(c3150.57,577.8) 3229.31,577.8

## Other copper
Layer1_Top:
  text "Mantarray Beta 2.0.0  emulator" at 10939.13,329.21 h60
  text "02/22/2021" at 11470.63,135.98 h60

## Silkscreen, mask and mechanical layers (free items; w line width, h text height)
Top Overlay:
  lines w5: 473.41,2664.41 473.41,577.8 ccw(c552.15,577.8) 552.15,499.05 921.04,499.06 ; 473.41,2703.78 473.41,3589.61 cw(c552.15,3589.61) 552.15,3668.35 3150.57,3668.35 cw(c3150.57,3589.61) 3229.31,3589.61 3229.31,2703.78 ; 926.16,499.06 1004.9,420.32 ; 1005.85,419.29 2301.12,419.29 ; 2300.18,420.32 2378.92,499.06 3150.57,499.06 ccw(c3150.57,577.8) 3229.31,577.8 3229.31,2664.41
  lines w10: 474.35,2470.47 773.56,2470.47 ; 551.12,2440.94 551.12,2519.69 ; 2907.42,2470.47 3228.29,2470.47 ; 2952.7,2423.23 2952.7,2535.43 ; 8885.31,11117.17 9188.46,11117.17 9188.46,11174.84 8885.31,11174.84 8885.31,11117.17
  text "USB PWR" at 2204.67,3604.33 h39.37